# Altium PCB waffling80-MX-north.PcbDoc (part 3 of 3)
Units mm, origin at the board's own origin, x right, y up, seen from the top; angles counter-clockwise.
Board outline 350.11 x 125.01 mm, 2 copper layers (Component Side, Bottom Layer), stack 1.171 mm thick; 231 components, 145 nets, 1093 pads, 153 vias.
Unrouted connection lines stored in the file: 15.
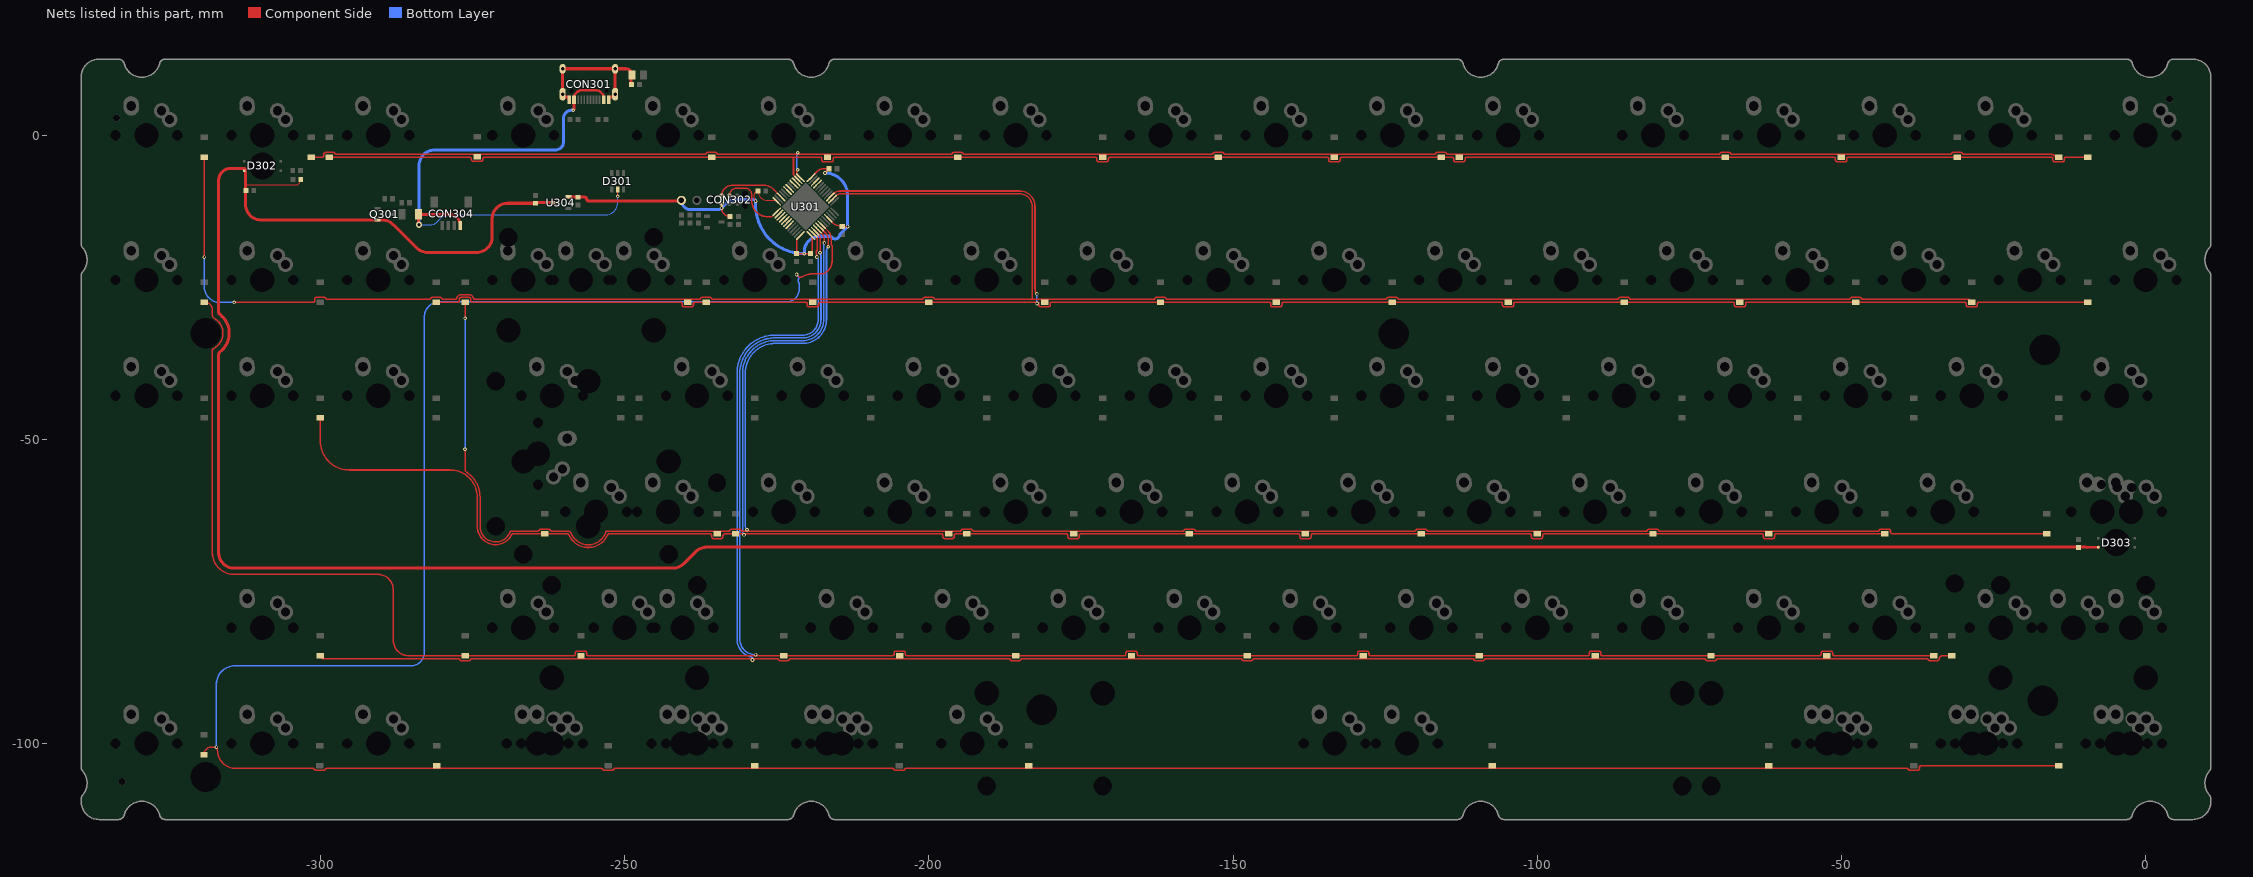
[diagram p3: the nets of this part, all layers, seen from the top]

## Via types
v1: diameter 0.6, hole 0.3, Component Side to Bottom Layer, tented both sides, 125 vias
v2: diameter 0.6, hole 0.3, Component Side to Bottom Layer, tented bottom, 25 vias
v3: diameter 1, hole 0.5, Component Side to Bottom Layer, tented both sides, 3 vias

## Nets (pads, with @x,y where several pads share a name; then routed paths per layer and width w, separated by ;. In a path a pad name is that pad's centre, name@x,y a point inside that pad or via, vN(x,y) a via of type N, cw(c..) or ccw(c..) an arc to the next point about the centre after c; other vN are vias at no path point) (continued)
PA4: D216.2 D218.2 D220.2 D222.2 D224.2 D226.2 D228.2 D230.2 U301.14 | length 366.1
  Component Side w0.254: v1(-319.087,-20.065) D216.2@-319.087,-3.635 ; v1(-314.187,-27.505) -301.228,-27.505 ccw(c-301.228,-27.251) -300.974,-27.251 -300.974,-26.992 cw(c-300.647,-26.992) -300.933,-26.834 cw(c-300.647,-26.992) -300.647,-26.665 -299.427,-26.665 cw(c-299.427,-26.992) -299.132,-26.85 ccw(c-298.904,-26.739) -298.905,-26.993 -297.257,-26.993 ccw(c-297.257,-26.739) -297.255,-26.993 -282.178,-26.993 cw(c-282.178,-27.701) -282.135,-26.994 ccw(c-282.121,-26.741) -281.892,-26.851 cw(c-281.597,-26.992) -281.597,-26.665 -280.987,-26.665 -280.377,-26.665 cw(c-280.377,-26.992) -280.292,-26.676 cw(c-280.377,-26.992) -280.082,-26.85 ccw(c-279.854,-26.739) -279.855,-26.993 -277.837,-26.993 ccw(c-277.839,-26.739) -277.592,-26.802 cw(c-276.835,-26.992) -276.835,-26.211 -275.615,-26.211 cw(c-275.615,-26.992) -274.859,-26.798 ccw(c-274.613,-26.733) -274.614,-26.987 -268.985,-26.987 -268.985,-26.993 -237.757,-26.993 ccw(c-237.758,-26.739) -237.53,-26.85 cw(c-237.235,-26.992) -237.235,-26.665 -236.015,-26.665 cw(c-236.015,-26.992) -235.72,-26.85 ccw(c-235.492,-26.739) -235.493,-26.993 -201.157,-26.993 ccw(c-201.158,-26.739) -200.93,-26.85 cw(c-200.635,-26.992) -200.635,-26.665 -199.415,-26.665 cw(c-199.415,-26.992) -199.123,-26.844 ccw(c-198.898,-26.727) -198.899,-26.981 -184.751,-26.981 cw(c-184.751,-27.235) -184.675,-26.993 -183.006,-26.993 ; U301.14@-215.665,-10.354 -215.309,-9.998 cw(c-214.45,-10.857) -214.686,-9.665 cw(c-214.471,-10.648) -214.476,-9.642 -187.393,-9.642 -185.586,-9.642 -185.092,-9.642 cw(c-185.093,-11.728) -183.006,-11.728 -183.006,-26.993 ; D218.2@-28.575,-27.447 -29.029,-26.993 -46.493,-26.993 cw(c-46.492,-26.739) -46.72,-26.85 ccw(c-47.015,-26.992) -47.015,-26.665 -48.235,-26.665 ccw(c-48.235,-26.992) -48.53,-26.85 cw(c-48.758,-26.739) -48.757,-26.993 -84.593,-26.993 cw(c-84.592,-26.739) -84.82,-26.85 ccw(c-85.115,-26.992) -85.115,-26.665 -86.335,-26.665 ccw(c-86.335,-26.992) -86.63,-26.85 cw(c-86.858,-26.739) -86.857,-26.993 -122.693,-26.993 cw(c-122.692,-26.739) -122.92,-26.85 ccw(c-123.215,-26.992) -123.215,-26.665 -124.435,-26.665 ccw(c-124.435,-26.992) -124.73,-26.85 cw(c-124.958,-26.739) -124.957,-26.993 -160.793,-26.993 cw(c-160.792,-26.739) -161.02,-26.85 ccw(c-161.315,-26.992) -161.315,-26.665 -162.535,-26.665 ccw(c-162.535,-26.992) -162.83,-26.85 cw(c-163.058,-26.739) -163.057,-26.993 -183.006,-26.993
  Bottom Layer w0.254: v1(-319.087,-20.065) -319.087,-24.965 ccw(c-316.547,-24.965) -316.547,-27.505 v1(-314.187,-27.505)
PA5: D217.2 D219.2 D221.2 D223.2 D225.2 D227.2 D229.2 D231.2 U301.15 | length 331.1
  Component Side w0.254: D231.2@-280.987,-27.447 -277.416,-27.447 ccw(c-277.416,-27.193) -277.162,-27.193 -277.162,-26.992 cw(c-276.835,-26.992) -276.835,-26.665 -275.615,-26.665 cw(c-275.615,-26.992) -275.288,-26.992 -275.288,-27.193 ccw(c-275.034,-27.193) -275.034,-27.447 -240.816,-27.447 cw(c-240.816,-27.701) -240.562,-27.701 -240.562,-27.902 ccw(c-240.235,-27.902) -240.235,-28.229 -239.015,-28.229 ccw(c-239.015,-27.902) -238.688,-27.902 -238.688,-27.701 cw(c-238.434,-27.701) -238.434,-27.447 D229.2@-236.625,-27.447 -220.266,-27.447 cw(c-220.266,-27.701) -220.012,-27.701 -220.012,-27.902 ccw(c-219.685,-27.902) -219.685,-28.229 -218.465,-28.229 ccw(c-218.465,-27.902) -218.145,-27.968 ccw(c-218.465,-27.902) -218.138,-27.905 cw(c-217.68,-27.905) -217.68,-27.447 D227.2@-200.025,-27.447 -182.166,-27.447 cw(c-182.166,-27.701) -181.912,-27.701 -181.912,-27.902 ccw(c-181.585,-27.902) -181.585,-28.229 -180.365,-28.229 ccw(c-180.365,-27.902) -180.038,-27.902 -180.038,-27.701 cw(c-179.784,-27.701) -179.784,-27.447 D225.2@-161.925,-27.447 -144.066,-27.447 cw(c-144.066,-27.701) -143.812,-27.701 -143.812,-27.902 ccw(c-143.485,-27.902) -143.485,-28.229 -142.265,-28.229 ccw(c-142.265,-27.902) -141.945,-27.97 ccw(c-142.265,-27.902) -141.938,-27.902 -141.938,-27.701 cw(c-141.684,-27.701) -141.684,-27.447 D223.2@-123.825,-27.447 -105.966,-27.447 cw(c-105.966,-27.701) -105.712,-27.701 -105.712,-27.902 ccw(c-105.385,-27.902) -105.385,-28.229 -104.165,-28.229 ccw(c-104.165,-27.902) -103.838,-27.902 -103.838,-27.701 cw(c-103.584,-27.701) -103.584,-27.447 D221.2@-85.725,-27.447 -67.866,-27.447 cw(c-67.866,-27.701) -67.612,-27.701 -67.612,-27.902 ccw(c-67.285,-27.902) -67.285,-28.229 -66.065,-28.229 ccw(c-66.065,-27.902) -65.768,-28.038 ccw(c-66.065,-27.902) -65.738,-27.902 -65.738,-27.701 cw(c-65.484,-27.701) -65.484,-27.447 D219.2@-47.625,-27.447 -29.766,-27.447 cw(c-29.766,-27.701) -29.512,-27.701 -29.512,-27.902 ccw(c-29.185,-27.902) -29.185,-28.229 -27.965,-28.229 ccw(c-27.965,-27.902) -27.73,-28.13 ccw(c-27.965,-27.902) -27.638,-27.902 -27.638,-27.701 cw(c-27.384,-27.701) -27.384,-27.447 D217.2@-9.525,-27.447 ; U301.15@-216.019,-10 -215.621,-9.603 cw(c-214.62,-10.603) -214.62,-9.188 -185.093,-9.188 cw(c-185.093,-11.728) -182.553,-11.728 -182.553,-25.354 ccw(c-181.501,-25.354) v1(-182.244,-26.098)
  Bottom Layer w0.254: v1(-182.244,-26.098) -182.244,-27.601 ccw(c-182.116,-27.601) v1(-182.207,-27.692)
PA9: U301.30
PA10: U301.31
PA15: U301.38
PB3: U301.39
PB4: U301.40
PB5: U301.41
PB6: U301.42
PB7: U301.43
PB10: U301.21
PB11: U301.22
PB12: D203.2 D205.2 D207.2 D209.2 D211.2 D213.2 D215.2 D290.2 U301.25 | length 293.7
  Component Side w0.254: D215.2@-301.537,-3.635 -299.729,-3.635 ccw(c-299.729,-3.381) -299.475,-3.381 -299.475,-3.18 cw(c-299.148,-3.18) -299.148,-2.853 -297.927,-2.853 cw(c-297.927,-3.18) -297.633,-3.038 ccw(c-297.404,-2.927) -297.406,-3.181 -236.843,-3.181 ccw(c-236.845,-2.927) -236.616,-3.038 cw(c-236.322,-3.18) -236.322,-2.853 -235.101,-2.853 cw(c-235.101,-3.18) -234.807,-3.038 ccw(c-234.578,-2.927) -234.58,-3.181 -196.395,-3.181 ccw(c-196.396,-2.927) -196.168,-3.038 cw(c-195.873,-3.18) -195.873,-2.853 -194.653,-2.853 cw(c-194.653,-3.18) -194.358,-3.038 ccw(c-194.13,-2.927) -194.131,-3.181 -153.532,-3.181 ccw(c-153.533,-2.927) -153.305,-3.038 cw(c-153.01,-3.18) -153.01,-2.853 -151.79,-2.853 cw(c-151.79,-3.18) -151.495,-3.038 ccw(c-151.267,-2.927) -151.268,-3.181 -116.932,-3.181 ccw(c-116.934,-2.927) -116.705,-3.038 cw(c-116.411,-3.18) -116.411,-2.853 -115.19,-2.853 cw(c-115.19,-3.18) -114.918,-2.999 cw(c-115.19,-3.18) -114.896,-3.038 ccw(c-114.667,-2.927) -114.669,-3.181 -70.219,-3.181 ccw(c-70.221,-2.927) -69.992,-3.038 cw(c-69.698,-3.18) -69.698,-2.853 -68.477,-2.853 cw(c-68.477,-3.18) -68.183,-3.038 ccw(c-67.954,-2.927) -67.956,-3.181 -32.119,-3.181 ccw(c-32.121,-2.927) -31.892,-3.038 cw(c-31.598,-3.18) -31.598,-2.853 -30.377,-2.853 cw(c-30.377,-3.18) -30.083,-3.038 ccw(c-29.854,-2.927) -29.856,-3.181 -15.478,-3.181 cw(c-15.478,-3.889) -14.876,-3.516 ccw(c-14.661,-3.381) -14.845,-3.556 -14.77,-3.556 D290.2@-14.287,-3.635 ; v1(-221.542,-5.695) -221.542,-5.788 -221.684,-5.931 -221.684,-6.42 U301.25@-221.287,-6.818
  Bottom Layer w0.254: v1@-221.741,-5.574 -221.741,-3.393 cw(c-221.06,-3.393) v1(-221.542,-2.911)
PB13: D201.2 D202.2 D204.2 D206.2 D208.2 D210.2 D212.2 D214.2 U301.26 | length 300
  Component Side w0.254: D214.2@-298.538,-3.635 -275.554,-3.635 cw(c-275.554,-4.329) -275.374,-3.658 cw(c-275.441,-3.904) -275.187,-3.903 -275.187,-4.002 ccw(c-274.86,-4.002) -274.86,-4.329 -273.639,-4.329 ccw(c-273.639,-4.002) -273.312,-4.002 -273.312,-3.889 cw(c-273.058,-3.889) -273.058,-3.635 D212.2@-235.711,-3.635 -222.226,-3.635 ; U301.26@-221.64,-7.172 -221.64,-7.159 -222.249,-6.55 -222.249,-3.659 -222.226,-3.635 ; D201.2@-9.525,-3.635 -13.096,-3.635 ccw(c-13.096,-3.889) -13.35,-3.889 -13.35,-4.09 cw(c-13.677,-4.09) -13.35,-4.097 cw(c-13.677,-4.09) -13.677,-4.417 -14.897,-4.417 cw(c-14.897,-4.09) -15.224,-4.09 -15.224,-3.889 ccw(c-15.478,-3.889) -15.478,-3.635 D202.2@-30.987,-3.635 -48.972,-3.635 ccw(c-48.846,-3.856) -49.1,-3.856 -49.1,-4.09 cw(c-49.427,-4.09) -49.427,-4.417 -50.648,-4.417 cw(c-50.648,-4.09) -50.975,-4.09 -50.975,-3.889 ccw(c-51.229,-3.889) -51.229,-3.635 D204.2@-69.087,-3.635 -111.609,-3.635 ccw(c-111.609,-3.889) -111.863,-3.889 -111.863,-4.09 cw(c-112.19,-4.09) -112.19,-4.417 -113.411,-4.417 cw(c-113.411,-4.09) -113.738,-4.09 -113.738,-3.889 ccw(c-113.992,-3.889) -113.992,-3.635 D206.2@-115.8,-3.635 -131.821,-3.635 ccw(c-131.821,-6.175) -132.197,-3.663 ccw(c-132.159,-3.914) -132.413,-3.913 -132.413,-4.09 cw(c-132.74,-4.09) -132.74,-4.417 -133.96,-4.417 cw(c-133.96,-4.09) -134.287,-4.09 -134.287,-3.883 ccw(c-134.541,-3.883) -134.484,-3.635 D208.2@-152.4,-3.635 -169.823,-3.635 ccw(c-169.823,-6.175) -170.142,-3.655 ccw(c-169.823,-6.175) -170.308,-3.682 ccw(c-170.259,-3.931) -170.513,-3.93 -170.513,-4.09 cw(c-170.84,-4.09) -170.513,-4.097 cw(c-170.84,-4.09) -170.84,-4.417 -172.06,-4.417 cw(c-172.06,-4.09) -172.387,-4.09 -172.387,-3.889 ccw(c-172.641,-3.889) -172.641,-3.635 D210.2@-195.263,-3.635 -215.47,-3.635 ccw(c-215.47,-3.889) -215.724,-3.889 -215.724,-4.09 cw(c-216.051,-4.09) -216.051,-4.417 -217.272,-4.417 cw(c-217.272,-4.09) -217.599,-4.09 -217.599,-3.889 ccw(c-217.853,-3.889) -217.853,-3.635 -222.226,-3.635
PB14: U301.27
PB15: U301.28
PC13: D265.2 D267.2 D269.2 D271.2 D273.2 D275.2 D277.2 D279.2 U301.2 | length 351.6
  Component Side w0.254: D279.2@-300.037,-85.597 ccw(c-299.583,-85.597) -299.954,-85.859 ccw(c-299.583,-85.597) -299.583,-86.051 -277.357,-86.051 cw(c-277.358,-86.305) -277.13,-86.194 ccw(c-276.835,-86.052) -277.087,-86.26 ccw(c-276.835,-86.052) -276.835,-86.379 -275.615,-86.379 ccw(c-275.615,-86.052) -275.335,-86.222 cw(c-275.119,-86.355) -275.3,-86.176 -275.248,-86.124 cw(c-275.069,-86.304) -275.087,-86.051 ; -275.086,-86.051 -224.969,-86.051 cw(c-224.971,-86.305) -224.742,-86.194 ccw(c-224.448,-86.052) -224.448,-86.379 -223.227,-86.379 ccw(c-223.227,-86.052) -222.933,-86.193 cw(c-222.704,-86.305) -222.706,-86.051 -186.869,-86.051 cw(c-186.87,-86.305) -186.642,-86.194 ccw(c-186.347,-86.052) -186.347,-86.379 -185.127,-86.379 ccw(c-185.127,-86.052) -184.832,-86.194 cw(c-184.604,-86.305) -184.605,-86.051 -148.769,-86.051 cw(c-148.77,-86.305) -148.542,-86.194 ccw(c-148.247,-86.052) -148.247,-86.379 -147.027,-86.379 ccw(c-147.027,-86.052) -146.732,-86.193 cw(c-146.504,-86.305) -146.505,-86.051 -110.669,-86.051 cw(c-110.67,-86.305) -110.442,-86.194 ccw(c-110.147,-86.052) -110.147,-86.379 -108.927,-86.379 ccw(c-108.927,-86.052) -108.632,-86.194 cw(c-108.404,-86.305) -108.405,-86.051 -72.569,-86.051 cw(c-72.57,-86.305) -72.342,-86.194 ccw(c-72.047,-86.052) -72.047,-86.379 -70.827,-86.379 ccw(c-70.827,-86.052) -70.532,-86.194 cw(c-70.304,-86.305) -70.305,-86.051 -35.967,-86.051 cw(c-35.968,-86.305) -35.74,-86.194 ccw(c-35.445,-86.052) -35.445,-86.379 -34.225,-86.379 ccw(c-34.225,-86.052) -33.898,-86.054 cw(c-33.644,-86.058) -33.898,-86.043 cw(c-33.644,-86.058) -33.896,-86.024 cw(c-33.405,-86.093) -33.405,-85.597 D265.2@-31.835,-85.597 ; U301.2@-218.847,-16.329 -218.83,-16.346 -218.837,-16.352 ccw(c-218.609,-16.24) -218.79,-16.419 -218.456,-16.752 cw(c-218.794,-17.089) -218.317,-17.089 cw(c-218.794,-17.089) -218.318,-17.126 ccw(c-218.065,-17.145) -218.317,-17.178 -218.317,-18.768 cw(c-218.571,-18.767) -218.369,-18.921 cw(c-218.571,-18.767) -218.378,-18.932 ccw(c-217.905,-19.343) -218.532,-19.343 ccw(c-217.905,-19.343) -218.443,-19.665 cw(c-218.662,-19.794) -218.408,-19.793 v1(-218.408,-20.033)
  Bottom Layer w0.254: v1(-228.98,-86.296) -228.98,-86.021 ccw(c-229.234,-86.037) -229.178,-85.789 cw(c-228.527,-82.867) -229.223,-85.779 cw(c-228.527,-82.867) -230.544,-85.079 cw(c-228.527,-82.867) -231.52,-82.867 -231.52,-39.101 cw(c-225.302,-39.101) -230.71,-36.031 cw(c-225.302,-39.101) -229.591,-34.599 ccw(c-229.767,-34.416) -229.576,-34.583 cw(c-229.233,-34.88) -229.555,-34.56 cw(c-229.054,-35.06) -229.484,-34.498 ccw(c-229.639,-34.297) -229.47,-34.486 cw(c-225.302,-39.101) -228.566,-33.808 ; -228.539,-33.792 cw(c-225.302,-39.101) -227.631,-33.336 cw(c-225.302,-39.101) -227.04,-33.131 cw(c-225.302,-39.101) -226.976,-33.113 ccw(c-227.046,-32.868) -226.955,-33.106 -226.933,-33.097 cw(c-226.675,-33.756) -226.784,-33.057 cw(c-226.713,-33.505) -226.755,-33.053 ccw(c-226.781,-32.8) -226.724,-33.048 cw(c-225.302,-39.101) -225.711,-32.896 ccw(c-225.729,-32.643) -225.701,-32.896 -225.636,-32.888 cw(c-225.552,-33.591) -225.554,-32.883 ; -225.554,-32.883 -220.726,-32.883 ccw(c-220.726,-30.343) -218.186,-30.343 -218.186,-20.57 ccw(c-218.944,-20.57) v1(-218.408,-20.033)
PC14: D233.2 D266.2 D268.2 D270.2 D272.2 D274.2 D276.2 D278.2 U301.3 | length 426.7
  Component Side w0.254: D233.2@-319.087,-27.447 cw(c-319.087,-28.766) -317.768,-28.766 -317.768,-29.592 ccw(c-317.132,-29.592) -317.718,-29.84 ccw(c-317.132,-29.592) -317.582,-30.042 cw(c-318.862,-32.563) -316.742,-30.692 cw(c-318.862,-32.563) -317.626,-35.105 ccw(c-317.514,-35.333) -317.768,-35.332 -317.768,-68.643 ccw(c-314.197,-68.643) -314.197,-72.214 -290.575,-72.214 cw(c-290.575,-74.754) -288.035,-74.754 -288.035,-83.057 ccw(c-285.495,-83.057) -285.495,-85.597 D278.2@-276.225,-85.597 -258.366,-85.597 ccw(c-258.366,-85.343) -258.112,-85.343 -258.112,-85.142 cw(c-257.785,-85.142) -257.785,-84.815 -256.565,-84.815 cw(c-256.565,-85.142) -256.238,-85.142 -256.238,-85.343 ccw(c-255.984,-85.343) -255.984,-85.597 D276.2@-223.837,-85.597 -205.978,-85.597 ccw(c-205.978,-85.343) -205.724,-85.343 -205.724,-85.142 cw(c-205.397,-85.142) -205.397,-84.815 -204.177,-84.815 cw(c-204.177,-85.142) -203.85,-85.142 -203.85,-85.343 ccw(c-203.596,-85.343) -203.596,-85.597 D274.2@-185.737,-85.597 -167.878,-85.597 ccw(c-167.878,-85.343) -167.624,-85.343 -167.624,-85.142 cw(c-167.297,-85.142) -167.297,-84.815 -166.077,-84.815 cw(c-166.077,-85.142) -165.75,-85.142 -165.75,-85.343 ccw(c-165.496,-85.343) -165.496,-85.597 D272.2@-147.637,-85.597 -129.778,-85.597 ccw(c-129.778,-85.343) -129.524,-85.343 -129.524,-85.142 cw(c-129.197,-85.142) -129.524,-85.139 cw(c-129.197,-85.142) -129.197,-84.815 -127.977,-84.815 cw(c-127.977,-85.142) -127.65,-85.142 -127.65,-85.343 ccw(c-127.396,-85.343) -127.396,-85.597 D270.2@-109.537,-85.597 -91.678,-85.597 ccw(c-91.678,-85.343) -91.424,-85.343 -91.424,-85.142 cw(c-91.097,-85.142) -91.097,-84.815 -89.877,-84.815 cw(c-89.877,-85.142) -89.55,-85.142 -89.55,-85.343 ccw(c-89.296,-85.343) -89.296,-85.597 D268.2@-71.437,-85.597 -53.578,-85.597 ccw(c-53.578,-85.343) -53.324,-85.343 -53.324,-85.142 cw(c-52.997,-85.142) -52.997,-84.815 -51.777,-84.815 cw(c-51.777,-85.142) -51.45,-85.142 -51.45,-85.313 ccw(c-51.196,-85.313) -51.196,-85.567 -35.318,-85.567 D266.2@-34.835,-85.597 ; U301.3@-218.493,-15.975 -218.166,-16.303 cw(c-218.896,-17.034) -218.077,-16.404 cw(c-218.896,-17.034) -217.863,-17.034 -217.863,-19.301 v1(-217.905,-19.343)
  Bottom Layer w0.254: -229.365,-35.012 cw(c-225.302,-39.101) -229.347,-34.995 ; -229.233,-34.88 cw(c-229.054,-35.06) -229.192,-34.847 ; v1(-228.472,-85.407) -228.527,-85.407 cw(c-228.527,-82.867) -231.067,-82.867 -231.067,-39.101 cw(c-225.302,-39.101) -229.684,-35.355 cw(c-225.302,-39.101) -229.347,-34.995 ; -226.714,-33.505 ccw(c-226.675,-33.756) -226.767,-33.519 -226.811,-33.536 cw(c-226.903,-33.3) -226.834,-33.544 ccw(c-225.302,-39.101) -226.917,-33.568 ccw(c-225.302,-39.101) -227.207,-33.661 ccw(c-225.302,-39.101) -229.192,-34.847 ; -226.713,-33.505 ccw(c-226.714,-33.251) -226.655,-33.498 cw(c-225.302,-39.101) -226.141,-33.398 cw(c-225.302,-39.101) -225.67,-33.349 ccw(c-225.688,-33.095) -225.658,-33.348 -225.582,-33.339 cw(c-225.552,-33.591) -225.554,-33.337 -220.726,-33.337 ccw(c-220.726,-30.343) -217.732,-30.343 -217.732,-22.076 ; v1(-217.905,-19.343) cw(c-218.323,-19.761) -217.732,-19.761 -217.732,-22.075 ; -229.347,-34.994 cw(c-225.302,-39.101) -229.192,-34.847
PC15: D249.2 D252.2 D254.2 D256.2 D258.2 D260.2 D262.2 D296.2 U301.4 | length 343.6
  Component Side w0.254: D249.2@-299.633,-46.901 -299.684,-46.825 D249.2@-300.037,-46.497 -300.037,-50.27 ccw(c-295.253,-50.27) -295.253,-55.054 -278.677,-55.054 cw(c-278.677,-59.501) -274.23,-59.501 -274.23,-63.862 ccw(c-273.776,-63.865) -274.221,-63.955 cw(c-274.47,-64.005) -274.217,-64.03 ccw(c-271.226,-64.32) -273.903,-65.685 ; -273.391,-66.404 cw(c-271.226,-64.32) -273.903,-65.685 ; -255.882,-67.793 cw(c-255.986,-64.32) -256.608,-67.739 ; U301.4@-218.14,-15.622 U301.4@-217.709,-16.053 ; U301.4@-217.708,-16.053 cw(c-219.011,-17.355) -217.169,-17.355 ; D252.2@-42.862,-65.547 -60.721,-65.547 ccw(c-60.721,-65.801) -60.975,-65.801 -60.975,-66.002 cw(c-61.302,-66.002) -61.302,-66.329 -62.523,-66.329 cw(c-62.523,-66.002) -62.85,-66.002 -62.85,-65.801 ccw(c-63.104,-65.801) -63.104,-65.547 D254.2@-80.962,-65.547 -98.821,-65.547 ccw(c-98.821,-65.801) -99.075,-65.801 -99.075,-66.002 cw(c-99.402,-66.002) -99.402,-66.329 -100.623,-66.329 cw(c-100.623,-66.002) -100.95,-66.002 -100.95,-65.801 ccw(c-101.204,-65.801) -101.204,-65.547 D256.2@-119.062,-65.547 -136.921,-65.547 ccw(c-136.921,-65.801) -137.175,-65.801 -137.175,-66.002 cw(c-137.502,-66.002) -137.502,-66.329 -138.723,-66.329 cw(c-138.723,-66.002) -139.05,-66.002 -139.05,-65.801 ccw(c-139.304,-65.801) -139.304,-65.547 D258.2@-157.162,-65.547 -175.021,-65.547 ccw(c-175.021,-65.801) -175.275,-65.801 -175.275,-66.002 cw(c-175.602,-66.002) -175.602,-66.329 -176.823,-66.329 cw(c-176.823,-66.002) -177.15,-66.002 -177.15,-65.801 ccw(c-177.404,-65.801) -177.404,-65.547 D260.2@-193.763,-65.547 -195.571,-65.547 ccw(c-195.571,-65.801) -195.825,-65.801 -195.825,-66.002 cw(c-196.152,-66.002) -196.152,-66.329 -197.373,-66.329 cw(c-197.373,-66.002) -197.7,-66.002 -197.7,-65.801 ccw(c-197.954,-65.801) -197.954,-65.547 -204.215,-65.547 cw(c-204.215,-65.093) -204.275,-65.543 ccw(c-204.307,-65.795) -204.306,-65.541 -210.987,-65.541 -210.987,-65.547 D262.2@-231.78,-65.547 -233.516,-65.547 ccw(c-233.516,-65.801) -233.695,-65.621 -233.769,-65.695 ccw(c-233.589,-65.874) -233.843,-65.874 -233.843,-66.002 cw(c-234.17,-66.002) -234.17,-66.329 -235.39,-66.329 cw(c-235.39,-66.002) -235.717,-66.002 -235.717,-65.801 ccw(c-235.971,-65.801) -235.971,-65.547 -252.565,-65.547 ccw(c-252.564,-65.801) -252.797,-65.699 cw(c-255.986,-64.32) -255.343,-67.735 cw(c-255.986,-64.32) -256.608,-67.739 ; -273.903,-65.685 ccw(c-271.226,-64.32) -268.549,-65.684 cw(c-268.323,-65.801) -268.543,-65.674 cw(c-268.323,-65.801) -268.324,-65.547 D296.2@-263.138,-65.547 -259.407,-65.547 cw(c-259.408,-65.801) -259.176,-65.7 ccw(c-255.986,-64.32) -258.869,-66.261 ccw(c-255.986,-64.32) -258.123,-67.06 ccw(c-255.986,-64.32) -256.608,-67.739
  Bottom Layer w0.254: v1(-230.377,-65.722) cw(c-229.81,-65.155) -230.613,-65.155 -230.613,-39.101 cw(c-225.302,-39.101) -229.582,-35.958 cw(c-225.302,-39.101) -228.688,-35.01 cw(c-225.302,-39.101) -225.302,-33.791 -220.726,-33.791 ccw(c-220.726,-30.343) -217.697,-31.991 ccw(c-220.726,-30.343) -217.278,-30.343 -217.278,-19.05 ; -217.278,-19.035 ccw(c-215.836,-19.05) -217.278,-19.05 ; v1(-217.169,-17.716) -217.278,-17.825 -217.278,-19.05
PF0: D251.2 D253.2 D255.2 D257.2 D259.2 D261.2 D263.2 D264.2 U301.5 | length 361.6
  Component Side w0.254: v1(-276.231,-30.123) -276.231,-27.453 D264.2@-276.225,-27.447 ; v1@-276.225,-51.614 -276.225,-55.055 ccw(c-275.971,-55.055) -276.151,-55.235 -275.987,-55.399 ccw(c-275.809,-55.218) -275.951,-55.428 cw(c-278.677,-59.501) -273.776,-59.501 -273.776,-63.842 ccw(c-273.522,-63.841) -273.775,-63.868 ccw(c-273.522,-63.841) -273.773,-63.883 cw(c-274.47,-64.005) -273.765,-64.07 ccw(c-271.226,-64.32) -273.776,-64.243 ccw(c-271.226,-64.32) -273.776,-64.247 ccw(c-271.226,-64.32) -272.349,-66.611 ; -272.348,-66.611 ccw(c-271.226,-64.32) -272.346,-66.612 ccw(c-271.226,-64.32) -271.336,-66.869 ; -271.043,-66.864 cw(c-271.226,-64.32) -271.336,-66.869 ; -258.76,-65.517 ccw(c-259.408,-65.801) -259.408,-65.093 -262.007,-65.093 cw(c-262.005,-64.839) -262.233,-64.951 ccw(c-262.528,-65.092) -262.528,-64.765 -263.748,-64.765 ccw(c-263.748,-65.092) -264.043,-64.95 cw(c-264.271,-64.839) -264.27,-65.093 -268.598,-65.093 ccw(c-268.598,-65.419) -268.686,-65.105 ccw(c-268.617,-65.35) -268.853,-65.255 cw(c-271.226,-64.32) -268.898,-65.363 cw(c-271.226,-64.32) -268.924,-65.419 cw(c-271.226,-64.32) -270.675,-66.811 cw(c-271.226,-64.32) -271.336,-66.869 ; -258.75,-65.54 ccw(c-255.986,-64.32) -253.117,-65.266 cw(c-252.876,-65.347) -252.878,-65.093 -232.912,-65.093 ccw(c-232.913,-64.839) -232.685,-64.95 cw(c-232.39,-65.092) -232.39,-64.765 -231.17,-64.765 cw(c-231.17,-65.092) -230.875,-64.95 ccw(c-230.647,-64.839) -230.648,-65.093 -212.414,-65.093 ccw(c-212.415,-64.839) -212.383,-65.091 cw(c-212.323,-65.541) -212.323,-65.087 -204.215,-65.087 -204.215,-65.093 -194.894,-65.093 ccw(c-194.896,-64.839) -194.667,-64.95 cw(c-194.373,-65.092) -194.513,-64.796 cw(c-194.373,-65.092) -194.373,-64.765 -193.152,-64.765 cw(c-193.152,-65.092) -192.858,-64.95 ccw(c-192.629,-64.839) -192.631,-65.093 -158.294,-65.093 ccw(c-158.296,-64.839) -158.067,-64.95 cw(c-157.773,-65.092) -157.773,-64.765 -156.552,-64.765 cw(c-156.552,-65.092) -156.258,-64.95 ccw(c-156.029,-64.839) -156.031,-65.093 -120.194,-65.093 ccw(c-120.196,-64.839) -119.967,-64.95 cw(c-119.673,-65.092) -119.673,-64.765 -118.452,-64.765 cw(c-118.452,-65.092) -118.158,-64.951 ccw(c-117.929,-64.839) -117.931,-65.093 -82.094,-65.093 ccw(c-82.096,-64.839) -81.867,-64.95 cw(c-81.573,-65.092) -81.573,-64.765 -80.352,-64.765 cw(c-80.352,-65.092) -80.058,-64.95 ccw(c-79.829,-64.839) -79.831,-65.093 -43.994,-65.093 ccw(c-43.996,-64.839) -43.767,-64.95 cw(c-43.473,-65.092) -43.473,-64.765 -42.252,-64.765 cw(c-42.252,-65.092) -41.925,-65.092 -41.925,-65.254 ccw(c-41.632,-65.254) -41.632,-65.547 D251.2@-16.25,-65.547 ; U301.5@-217.786,-15.268 -217.016,-16.038 ; -217.016,-16.039 cw(c-218.179,-17.201) -216.534,-17.201 v1(-216.534,-18.351)
  Bottom Layer w0.254: v1(-276.237,-51.64) -276.234,-51.637 -276.234,-30.126 v1(-276.231,-30.123) ; v1(-229.885,-64.872) cw(c-229.225,-64.212) -230.159,-64.212 -230.159,-39.101 cw(c-225.302,-39.101) -225.302,-34.245 -220.726,-34.245 ccw(c-220.726,-30.343) -217.405,-32.392 ccw(c-220.726,-30.343) -216.824,-30.343 -216.824,-19.05 cw(c-215.836,-19.05) v1(-216.534,-18.351)
PF1: D280.2 D282.2 D283.2 D285.2 D287.2 D289.2 D293.2 pad.@-318.862,-105.512 U301.6 | length 492.2
  Component Side w0.254: D289.2@-319.145,-101.829 cw(c-317.916,-101.829) -317.916,-100.6 v1(-317.109,-100.6) cw(c-317.19,-100.841) -316.936,-100.84 -316.936,-101.107 ccw(c-313.942,-101.107) -313.942,-104.101 -301.227,-104.101 cw(c-301.228,-104.355) -301,-104.244 ccw(c-300.705,-104.102) -300.705,-104.429 -299.485,-104.429 ccw(c-299.485,-104.102) -299.19,-104.244 cw(c-298.962,-104.355) -298.963,-104.101 -280.014,-104.101 ccw(c-280.014,-103.847) -279.997,-104.1 -279.878,-104.092 cw(c-279.861,-104.346) -279.826,-104.094 ccw(c-279.727,-103.393) -279.727,-104.101 -253.856,-104.101 cw(c-253.857,-104.355) -253.629,-104.244 ccw(c-253.334,-104.102) -253.334,-104.429 -252.114,-104.429 ccw(c-252.114,-104.102) -251.819,-104.244 cw(c-251.591,-104.355) -251.592,-104.101 -205.977,-104.101 cw(c-205.978,-104.355) -205.75,-104.244 ccw(c-205.455,-104.102) -205.714,-104.301 ccw(c-205.455,-104.102) -205.455,-104.429 -204.235,-104.429 ccw(c-204.235,-104.102) -203.94,-104.244 cw(c-203.712,-104.355) -203.713,-104.101 -39.231,-104.101 cw(c-39.233,-104.355) -39.004,-104.244 ccw(c-38.709,-104.102) -38.709,-104.429 -37.489,-104.429 ccw(c-37.489,-104.102) -37.177,-104.198 ccw(c-37.489,-104.102) -37.162,-104.102 -37.162,-103.901 cw(c-36.908,-103.901) -36.908,-103.647 D280.2@-14.287,-103.647 ; v1(-221.741,-22.923) -221.361,-23.303 ccw(c-221.183,-23.122) -221.089,-23.358 cw(c-220.852,-23.939) -220.876,-23.312 ccw(c-220.887,-23.059) -220.749,-23.271 cw(c-219.255,-25.537) -219.255,-22.823 -217.936,-22.823 ccw(c-217.936,-20.737) -216.609,-22.347 ccw(c-218.304,-20.653) -215.908,-20.653 -215.908,-18.766 -215.908,-18.587 ccw(c-216.162,-18.587) -215.908,-18.573 -215.913,-18.47 cw(c-215.66,-18.456) -215.912,-18.427 ccw(c-216.534,-18.351) -215.908,-18.351 ccw(c-216.534,-18.351) -216.031,-17.977 cw(c-215.827,-17.827) -216.048,-17.951 cw(c-215.827,-17.827) -216.081,-17.828 -216.081,-16.99 ccw(c-217.819,-16.99) -216.59,-15.76 -217.433,-14.917 U301.6@-217.433,-14.915
  Bottom Layer w0.254: v1(-317.109,-100.6) -317.109,-90.233 cw(c-314.115,-90.233) -316.827,-88.964 cw(c-314.115,-90.233) -316.23,-88.113 cw(c-314.115,-90.233) -315.7,-87.693 cw(c-314.115,-90.233) -314.115,-87.239 -298.068,-87.239 ccw(c-298.068,-85.153) -297.757,-87.216 ; -297.689,-87.211 -285.042,-87.211 ccw(c-285.042,-85.125) -282.955,-85.125 -282.955,-29.962 cw(c-280.415,-29.962) -280.415,-27.422 -223.392,-27.422 ccw(c-223.392,-25.336) -222.422,-27.182 ccw(c-223.392,-25.336) -221.306,-25.336 -221.306,-24.462 ccw(c-221.56,-24.463) -221.356,-24.313 cw(c-220.852,-23.939) -221.412,-23.656 ccw(c-221.639,-23.541) -221.401,-23.453 ccw(c-222.792,-23.973) v1(-221.741,-22.923)
RAW: CON301.A4B9 CON301.B4A9 CON304.1 D301.5 F301.2 | length 96
  Component Side w0.203: v1(-251.15,-10.076) D301.5@-251.15,-8.962
  Component Side w0.254: v1(-258.45,4.088) ccw(c-258.45,4.2) v1@-258.337,4.2
  Component Side w0.4: CON301.B4A9@-258.3,6.2 -258.3,6.584 -257.879,7.005 cw(c-256.961,6.087) -256.961,7.385 -254.762,7.385 cw(c-254.762,6.21) -253.931,7.041 -253.587,6.697 -253.587,6.675 ; -253.537,6.625 cw(c-254.628,6.147) CON301.A4B9@-253.437,6.147
  Component Side w0.5: v3(-283.791,-14.741) cw(c-283.791,-14.64) -283.891,-14.64 F301.2@-283.891,-13.017 -278.854,-13.017 cw(c-278.854,-14.86) CON304.1@-277.011,-14.86 ; v1@-258.337,4.2 CON301.B4A9@-258.337,5.806
  Bottom Layer w0.203: v3(-283.791,-14.741) -281.892,-14.741 ccw(c-281.892,-13.192) -280.796,-14.287 -280.358,-13.848 cw(c-278.562,-15.644) -278.562,-13.104 -253.173,-13.104 ccw(c-253.173,-11.081) -252.353,-12.931 ccw(c-253.173,-11.081) -251.323,-11.901 ccw(c-253.173,-11.081) -251.15,-11.081 v1(-251.15,-10.076)
  Bottom Layer w0.5: v3(-283.791,-14.741) -283.791,-4.986 cw(c-281.251,-4.986) -281.251,-2.446 -266.845,-2.446 ccw(c-266.7,0) -266.566,-2.446 ; -266.566,-2.446 cw(c-266.541,-2.946) -266.542,-2.446 -261.383,-2.446 ccw(c-261.383,-1.112) -260.05,-1.112 -260.05,2.778 cw(c-258.739,2.778) -258.739,4.088 v1(-258.45,4.088)
SHIELD: C313.2 CON301.A1B12 CON301.B1A12 CON301.S1 L301.2 | length 26
  Component Side w0.5: CON301.B1A12@-259.137,5.806 -259.187,6.281 -260.207,6.281 CON301.S1@-260.207,6.721 CON301.S1@-260.207,10.901 CON301.S1@-251.567,10.901 ; CON301.A1B12@-252.637,5.806 -252.587,6.281 -251.567,6.281 CON301.S1@-251.567,6.721 CON301.S1@-251.567,10.901 ; C313.2@-248.964,8.25 -248.964,9.694 cw(c-248.769,9.694) L301.2@-248.769,9.888 ccw(c-249.782,9.888) -249.782,10.901 CON301.S1@-251.567,10.901
SWCLK: CON302.4 U301.37 | length 11.7
  Component Side w0.254: CON302.4@-232.79,-9.969 cw(c-231.538,-9.969) -231.538,-8.717 -230.233,-8.717 cw(c-230.233,-9.842) -229.107,-9.842 -229.107,-10.858 ccw(c-226.567,-10.858) -226.983,-13.364 ccw(c-226.567,-10.858) -226.567,-13.398 -225.793,-13.398 -225.188,-12.793 U301.37@-225.176,-12.793
SWDIO: CON302.2 U301.34 | length 11.2
  Component Side w0.254: CON302.2@-234.06,-9.969 cw(c-232.354,-9.969) -234.058,-9.879 cw(c-232.354,-9.969) -232.445,-8.265 cw(c-232.354,-9.969) -232.354,-8.263 -227.018,-8.263 cw(c-227.018,-10.225) -225.631,-8.838 U301.34@-224.469,-10
VCC: C307.2 C311.2 C312.2 D302.1 D303.1 Q301.2 R306.1 U304.3 | length 454.9
  Component Side w0.203: -312.312,-8.17 -304.113,-8.17 ccw(c-304.113,-7.302) R306.1@-303.245,-7.302
  Component Side w0.5: U304.3@-261.668,-11.112 -264.575,-11.112 ccw(c-264.575,-11.206) C307.2@-264.669,-11.206 -269.239,-11.206 ccw(c-269.239,-13.746) -271.779,-13.746 -271.779,-16.738 cw(c-274.319,-16.738) -274.319,-19.278 -282.431,-19.278 cw(c-282.431,-16.738) -284.227,-18.534 -288.051,-14.711 ccw(c-289.847,-16.507) -289.847,-13.967 Q301.2@-290.632,-13.967 -309.772,-13.967 cw(c-309.772,-11.427) -312.312,-11.427 -312.312,-8.17 -312.312,-5.83 ccw(c-312.676,-5.83) -312.676,-5.466 -314.774,-5.466 ccw(c-314.774,-7.429) -315.319,-5.543 ccw(c-314.774,-7.429) -316.737,-7.429 -316.737,-29.085 ccw(c-316.238,-29.084) -316.54,-29.482 cw(c-318.862,-32.563) -316.132,-29.837 cw(c-318.862,-32.563) -316.54,-35.643 ccw(c-316.238,-36.041) -316.737,-36.04 -316.737,-68.643 ccw(c-314.197,-68.643) -314.197,-71.183 -242.085,-71.183 ccw(c-242.085,-68.643) -240.289,-70.439 -238.336,-68.486 cw(c-236.54,-70.282) -236.54,-67.742 -9.827,-67.742 -9.651,-67.769 D303.1@-7.762,-67.742
VCC3V3: C301.2 C302.2 C303.2 C304.2 C305.2 C308.2 CON302.1 CON303.2 R303.1 U301.1 U301.9 U301.24 U301.36 U301.48 U304.2 | length 91.5
  Component Side w0.203: v1(-228.481,-10.858) cw(c-228.002,-10.379) -228.614,-10.669 cw(c-228.002,-10.379) -228.679,-10.379 -228.679,-9.779 cw(c-228.106,-9.779) -228.679,-9.77 cw(c-228.106,-9.779) C305.2@-228.106,-9.207 ccw(c-226.606,-9.207) -226.606,-10.707 U301.36@-225.176,-10.707
  Component Side w0.254: CON302.1@-234.06,-11.239 v1(-234.06,-11.986) ccw(c-232.663,-11.986) R303.1@-232.663,-13.383 ; U301.48@-221.287,-16.682 ccw(c-220.188,-17.781) -221.741,-17.781 C301.2@-221.741,-19.479 C303.2@-219.455,-19.479 ccw(c-220.071,-18.864) -219.201,-18.864 U301.1@-219.201,-16.682 ; U301.24@-219.201,-6.818 -218.331,-5.949 cw(c-217.306,-6.974) -217.588,-5.552 cw(c-217.306,-6.974) -217.306,-5.524 C308.2@-216.422,-5.524 -216.422,-5.549 -217.072,-6.199 v1(-217.072,-6.224) ; U301.9@-216.372,-13.854 -215.921,-14.305 ccw(c-214.125,-12.509) C302.2@-214.125,-15.049 ; C302.2@-214.248,-15.034 -213.359,-15.034 v1(-213.359,-15.049)
  Component Side w0.5: U304.2@-259.268,-10.162 -257.682,-10.162 C304.2@-257.682,-10.208 -257.682,-10.212 -256.557,-10.212 cw(c-256.557,-10.519) -256.25,-10.519 ccw(c-255.942,-10.519) -255.942,-10.826 -240.76,-10.826 ccw(c-240.76,-10.731) CON303.2@-240.664,-10.731 ; CON303.2@-240.664,-11.239 cw(c-240.598,-11.239) CON303.2@-240.598,-11.173
  Bottom Layer w0.5: CON303.2@-240.664,-10.731 ccw(c-239.14,-10.731) -239.14,-12.255 -234.71,-12.255 ccw(c-234.71,-11.337) -234.638,-12.252 ccw(c-234.71,-11.337) v1(-234.06,-11.986) -233.422,-11.348 cw(c-231.626,-13.144) -231.626,-10.604 -228.735,-10.604 cw(c-228.735,-10.858) v1(-228.481,-10.858) ; v1@-228.481,-10.904 -228.481,-11.485 ccw(c-220.471,-11.485) v1(-220.471,-19.494) -220.471,-19.17 cw(c-217.931,-19.17) -217.931,-16.63 -216.341,-16.63 cw(c-216.343,-17.13) -216.037,-16.734 cw(c-216.343,-17.13) -215.963,-16.805 ccw(c-215.391,-16.319) -215.923,-16.848 ccw(c-215.391,-16.319) -215.921,-16.85 ccw(c-215.391,-16.319) -215.391,-17.069 ccw(c-215.391,-16.319) -214.862,-16.85 ccw(c-215.391,-16.319) -214.86,-16.848 ccw(c-215.391,-16.319) -214.654,-16.454 cw(c-214.162,-16.547) -214.517,-16.195 -213.429,-15.107 cw(c-213.077,-15.461) v1(-213.359,-15.049) -213.359,-9.937 ccw(c-217.072,-9.937) v1(-217.072,-6.224)
pads on no net: CON301. CON301.A8 CON301.B8 CON302.0 CON302.6 D301.1 D301.6 D302. D303. D303.2 Designator73. S201. S202. S203. S204. S205. S206. S207. S208. S209. S210. S211. S212. S213. S214. S215. S216. S217. S218. S219. S220. S221. S222. S223. S224. S225. S226. S227. S228. S229. S230. S231. S232. S233. S234. S235. S236. S237. S238. S239. S240. S241. S242. S243. S244. S245. S246. S247. S248. S249. S250. S251. S252. S253. S254. S255. S256. S257. S258. S259. S260. S261. S262. S263. S264. S264_1. S265. S265_1. S266. S267. S268. S269. S270. S271. S272. S273. S274. S275. S276. S277. S277_1. S278. S279. S280. S281. S282. S283_1. S283_2. S284. S285. S286. S287. S288. S289. S290. S293. S296. S296_1. STAB1. STAB2.@-255.986,-64.32 STAB2.@-264.241,-52.382 STAB2.@-271.226,-40.444 STAB2.@-271.226,-64.32 STAB3. STAB4. STAB5. STAB6. STAB7.

## Polygon pours and split planes (outlines as drawn)
GND on Component Side "Top Layer - GND" (hatched 45Degree grid 1.397 track 0.203, remove dead copper, pour order 4): 7.75,12 cw(c7.75,9) 10.75,9 10.75,-109.012 cw(c7.75,-109.013) 7.75,-112.013 -336.362,-112.012 cw(c-336.362,-109.013) -339.362,-109.013 -339.362,9 cw(c-336.362,9) -336.362,12
GND on Bottom Layer "Bottom Layer - GND" (hatched 45Degree grid 1.397 track 0.203, remove dead copper, pour order 5): 7.758,12 cw(c7.754,9.004) 10.75,9 11.001,-112.161 -336.362,-112.012 cw(c-336.487,-109.148) -339.351,-109.27 -339.351,9.257 cw(c-336.362,9) -336.362,12

## Silkscreen, mask and mechanical layers (free items; w line width, h text height)
Top Overlay:
  drawing of 2 lines, arcs and shapes, not listed
  text "RESET" at -241.045,-8.826 h0.75
  text "Waffling80" at -321.208,-66.85 h3.3
  text "NK87 MX-ALPS Rev B1" at -320.349,-68.612 h1.5
  text "Waffling: adj. or verb - indecisive; unable to make up one's mind; playing the safe middle ground due to one's own lack of conviction or sense of morality." at -234.441,-70.802 h2.9
Bottom Overlay:
  circle w0.4: c-4.915,-104.02 r0.75
  circle w0.4: c-28.727,-104.02 r0.75
  circle w0.4: c-52.54,-104.02 r0.75
  circle w0.4: c-133.502,-104.02 r0.75
  circle w0.4: c-262.09,-104.02 r0.75
  circle w0.4: c-238.277,-104.02 r0.75
  circle w0.4: c-214.465,-104.02 r0.75
  circle w0.4: c-36.48,-89.344 r0.75
  circle w0.4: c-55.53,-89.344 r0.75
  lines w0.2: -231.102,-91.574 -204.94,-91.574 ; -225.215,-88.836 -222.847,-88.836 ; -213.377,-88.836 -211.009,-88.836 ; -60.355,-92.082 -32.355,-92.082 ; -53.003,-89.344 -50.635,-89.344 ; -41.165,-89.344 -38.797,-89.344 ; -225.922,-88.836 -225.215,-88.129 -225.215,-89.543 -225.922,-88.836 ; -211.009,-89.543 -210.302,-88.836 -211.009,-88.129 -211.009,-89.543 ; -53.71,-89.344 -53.003,-90.051 -53.003,-88.637 -53.71,-89.344 ; -38.797,-90.051 -38.797,-88.637 -38.09,-89.344 -38.797,-90.051
  text "< 7U" at -190.825,-89.161 h1.52 r270
  text "< 6.25U" at -172.029,-89.161 h1.52 r270
  text "< 7U" at -76.525,-89.161 h1.52 r270
  text "< 6.25U" at -71.826,-89.288 h1.52 r270
  text "x" at -228.543,-89.523 h1.75
  text "x" at -208.985,-89.523 h1.75
  text "X shows 6.25U space with 1.25U mods" at -205.448,-91.07 h0.75
  text "Circles shows Tsangan layout, 7U space" at -32.601,-91.578 h0.75
  text "x" at -264.801,-104.636 h1.75
  text "x" at -240.989,-104.636 h1.75
  text "x" at -217.176,-104.636 h1.75
  text "x" at -193.364,-104.636 h1.75
  text "x" at -121.926,-104.636 h1.75
  text "x" at -50.489,-104.636 h1.75
  text "x" at -26.676,-104.636 h1.75
  text "x" at -2.864,-104.636 h1.75
outline:
  circle w0.013: c-31.363,-73.712 r1.5
  circle w0.013: c-234.838,-57.162 r1.5
  circle w0.013: c-16.906,-93.012 r2.5
  circle w0.013: c-16.55,-35.312 r2.5
  circle w0.013: c-318.862,-32.563 r2.5
  circle w0.013: c-318.862,-105.512 r2.5
  circle w0.013: c-123.55,-32.663 r2.5
  circle w0.013: c-181.462,-94.463 r2.5
  lines w0.013: -339.362,-109.513 ccw(c-336.362,-109.513) -336.362,-112.513 -333.235,-112.513 ccw(c-333.235,-111.512) -332.267,-111.762 cw(c-329.363,-112.513) -326.458,-111.763 ccw(c-325.49,-111.512) -325.49,-112.513 -223.198,-112.513 ccw(c-223.198,-111.512) -222.23,-111.762 cw(c-219.325,-112.513) -216.421,-111.763 ccw(c-215.452,-111.512) -215.452,-112.513 -113.161,-112.513 ccw(c-113.161,-111.512) -112.192,-111.762 cw(c-109.288,-112.513) -106.383,-111.763 ccw(c-105.415,-111.512) -105.415,-112.513 -3.123,-112.513 ccw(c-3.123,-111.512) -2.155,-111.762 cw(c0.75,-112.513) 3.655,-111.763 ccw(c4.623,-111.512) 4.623,-112.513 7.75,-112.513 ccw(c7.75,-109.512) 10.75,-109.512 10.75,-109.158 ccw(c9.75,-109.158) 10.5,-108.497 cw(c12.75,-106.512) 10.5,-104.528 ccw(c9.75,-103.867) 10.75,-103.867 10.75,-23.146 ccw(c9.75,-23.146) 10.5,-22.484 cw(c12.75,-20.5) 10.5,-18.516 ccw(c9.75,-17.854) 10.75,-17.854 10.75,9.5 ccw(c7.75,9.5) 7.75,12.5 4.623,12.5 ccw(c4.623,11.5) 3.655,11.75 cw(c0.75,12.5) -2.155,11.75 ccw(c-3.123,11.5) -3.123,12.5 -105.415,12.5 ccw(c-105.415,11.5) -106.383,11.75 cw(c-109.288,12.5) -112.192,11.75 ccw(c-113.161,11.5) -113.161,12.5 -215.452,12.5 ccw(c-215.452,11.5) -216.421,11.75 cw(c-219.325,12.5) -222.23,11.75 ccw(c-223.198,11.5) -223.198,12.5 -325.49,12.5 ccw(c-325.49,11.5) -326.458,11.75 cw(c-329.363,12.5) -332.267,11.75 ccw(c-333.235,11.5) -333.235,12.5 -336.362,12.5 ccw(c-336.362,9.5) -339.362,9.5 -339.362,-17.854 ccw(c-338.363,-17.854) -339.112,-18.516 cw(c-341.362,-20.5) -339.112,-22.484 ccw(c-338.362,-23.146) -339.362,-23.146 -339.362,-103.867 ccw(c-338.363,-103.867) -339.112,-104.528 cw(c-341.362,-106.512) -339.112,-108.497 ccw(c-338.363,-109.158) -339.362,-109.158 -339.362,-109.512
OpenTKL:
  drawing of 5060 lines, arcs and shapes, not listed
HiTek plate:
  drawing of 5644 lines, arcs and shapes, not listed
old outline:
  lines w0.1: -332.175,-108.282 -323.852,-108.282 ccw(c-323.852,-105.314) -321.753,-107.413 -320.868,-106.528 cw(c-319.087,-108.282) -317.2,-106.642 ; -332.112,-108.283 cw(c-332.112,-104.283) -336.112,-104.283 -336.112,4.25 cw(c-332.113,4.25) -332.113,8.25 -323.885,8.25 cw(c-323.885,5.184) -321.717,7.352 -320.968,6.603 ; -320.973,6.61 ccw(c-319.087,8.25) -317.306,6.496 -316.421,7.381 cw(c-314.322,5.282) -314.322,8.25 -304.835,8.25 cw(c-304.835,5.184) -302.667,7.352 -301.918,6.603 ; -317.206,-106.635 -316.457,-107.384 ccw(c-314.289,-105.216) -314.289,-108.282 -304.802,-108.282 ccw(c-304.802,-105.314) -302.703,-107.413 -301.818,-106.528 cw(c-300.037,-108.282) -298.151,-106.642 ; -301.923,6.61 ccw(c-300.037,8.25) -298.256,6.496 -297.371,7.381 cw(c-295.272,5.282) -295.272,8.25 -285.892,8.25 cw(c-285.892,7.044) -284.686,7.044 ccw(c-284.186,7.044) -283.686,7.044 ; -298.156,-106.635 -297.407,-107.384 ccw(c-295.239,-105.216) -295.239,-108.282 -208.372,-108.282 ccw(c-208.372,-105.314) -206.273,-107.413 -205.376,-106.523 cw(c-203.607,-108.265) -203.607,-105.782 -202.406,-105.782 cw(c-202.406,-108.282) -200.519,-106.642 ; -273.543,7.044 ccw(c-273.043,7.044) -272.543,7.044 cw(c-271.337,7.044) -271.337,8.25 -259.576,8.25 cw(c-259.576,5.184) -257.408,7.352 -256.659,6.603 ; -256.664,6.61 ccw(c-254.778,8.25) -252.996,6.496 -252.112,7.381 cw(c-250.013,5.282) -250.013,8.25 ; -250.107,8.25 -200.025,8.25 ; -200.525,-106.635 -199.776,-107.384 ccw(c-197.608,-105.216) -197.608,-108.282 -67.882,-108.282 ccw(c-67.882,-105.314) -65.783,-107.413 -64.898,-106.528 cw(c-63.117,-108.282) -61.231,-106.642 ; -200.061,8.25 cw(c-200.061,5.184) -197.893,7.352 -197.144,6.603 ; -197.149,6.61 ccw(c-195.263,8.25) -193.482,6.496 -192.597,7.381 cw(c-190.498,5.282) -190.498,8.25 ; -190.5,8.25 -178.453,8.25 ; -178.63,8.25 cw(c-178.63,5.184) -176.462,7.352 -175.713,6.603 ; -175.718,6.61 ccw(c-173.832,8.25) -172.051,6.496 -171.166,7.381 cw(c-169.067,5.282) -169.067,8.25 -114.3,8.25 ; -114.35,8.25 cw(c-114.35,5.184) -112.182,7.352 -111.433,6.603 ; -111.438,6.61 ccw(c-109.552,8.25) -107.771,6.496 -106.886,7.381 cw(c-104.787,5.282) -104.787,8.25 ; -104.775,8.25 -97.707,8.25 ; -97.667,8.25 cw(c-97.667,5.184) -95.499,7.352 -94.75,6.603 ; -94.755,6.61 ccw(c-92.869,8.25) -91.088,6.496 -90.203,7.381 cw(c-88.104,5.282) -88.104,8.25 -33.337,8.25 ; -61.236,-106.635 -60.487,-107.384 ccw(c-58.319,-105.216) -58.319,-108.282 -48.817,-108.282 ccw(c-48.817,-105.314) -46.718,-107.413 -45.834,-106.528 ; -45.834,-106.528 cw(c-44.053,-108.282) -44.053,-105.782 ; -44.076,-105.782 -39.223,-105.782 ; -39.223,-105.783 cw(c-39.307,-108.282) -37.42,-106.642 ; -37.426,-106.635 -36.677,-107.384 ccw(c-34.509,-105.216) -34.509,-108.282 -20.262,-108.282 ccw(c-20.262,-105.314) -18.163,-107.413 -17.278,-106.528 cw(c-15.497,-108.282) -13.611,-106.642 ; -33.373,8.25 cw(c-33.373,5.184) -31.205,7.352 -30.456,6.603 ; -30.461,6.61 ccw(c-28.575,8.25) -26.794,6.496 -25.909,7.381 cw(c-23.81,5.282) -23.81,8.25 -16.704,8.25 cw(c-16.704,5.184) -14.536,7.352 -13.787,6.603 ; -13.821,6.643 ccw(c-11.906,8.25) -11.9,5.75 -9.525,5.75 ccw(c-9.525,8.25) -7.778,6.462 ; -13.616,-106.635 -12.867,-107.384 ccw(c-10.699,-105.216) -10.699,-108.282 3.501,-108.282 ccw(c3.501,-104.282) 7.501,-104.282 7.5,4.25 ccw(c3.5,4.25) 3.5,8.25 0,8.25 -4.76,8.25 ccw(c-4.76,5.282) -6.859,7.381 -7.744,6.496
Mechanical 16:
  circle w0.013: c-76.136,-91.757 r1.994
  circle w0.013: c-71.373,-91.757 r1.994
  circle w0.013: c-71.373,-106.997 r1.524
  circle w0.013: c-76.136,-106.997 r1.524
  circle w0.013: c-171.449,-106.997 r1.524
  circle w0.013: c-171.449,-91.757 r1.994
  circle w0.013: c-128.238,-100.012 r0.851
  circle w0.013: c-126.491,-100.012 r0.851
  circle w0.013: c-129.508,-97.472 r0.749
  circle w0.013: c-117.601,-97.472 r0.749
  circle w0.013: c-116.331,-100.012 r0.851
  circle w0.013: c-121.411,-100.012 r1.994
  circle w0.013: c-123.951,-94.932 r0.749
  circle w0.013: c-135.858,-94.932 r0.749
  circle w0.013: c-133.318,-100.012 r1.994
  circle w0.013: c-138.398,-100.012 r0.851
  circle w0.013: c-190.499,-91.757 r1.994
  circle w0.013: c-190.499,-106.997 r1.524

## Text inside footprints (layer, text, board x,y; h text height)
CON301: Mechanical 15 "connector edge" at -252.937,13.056 h1 r180